# Altium PCB Wireless_Detector.PcbDoc (part 1 of 2) (continued)
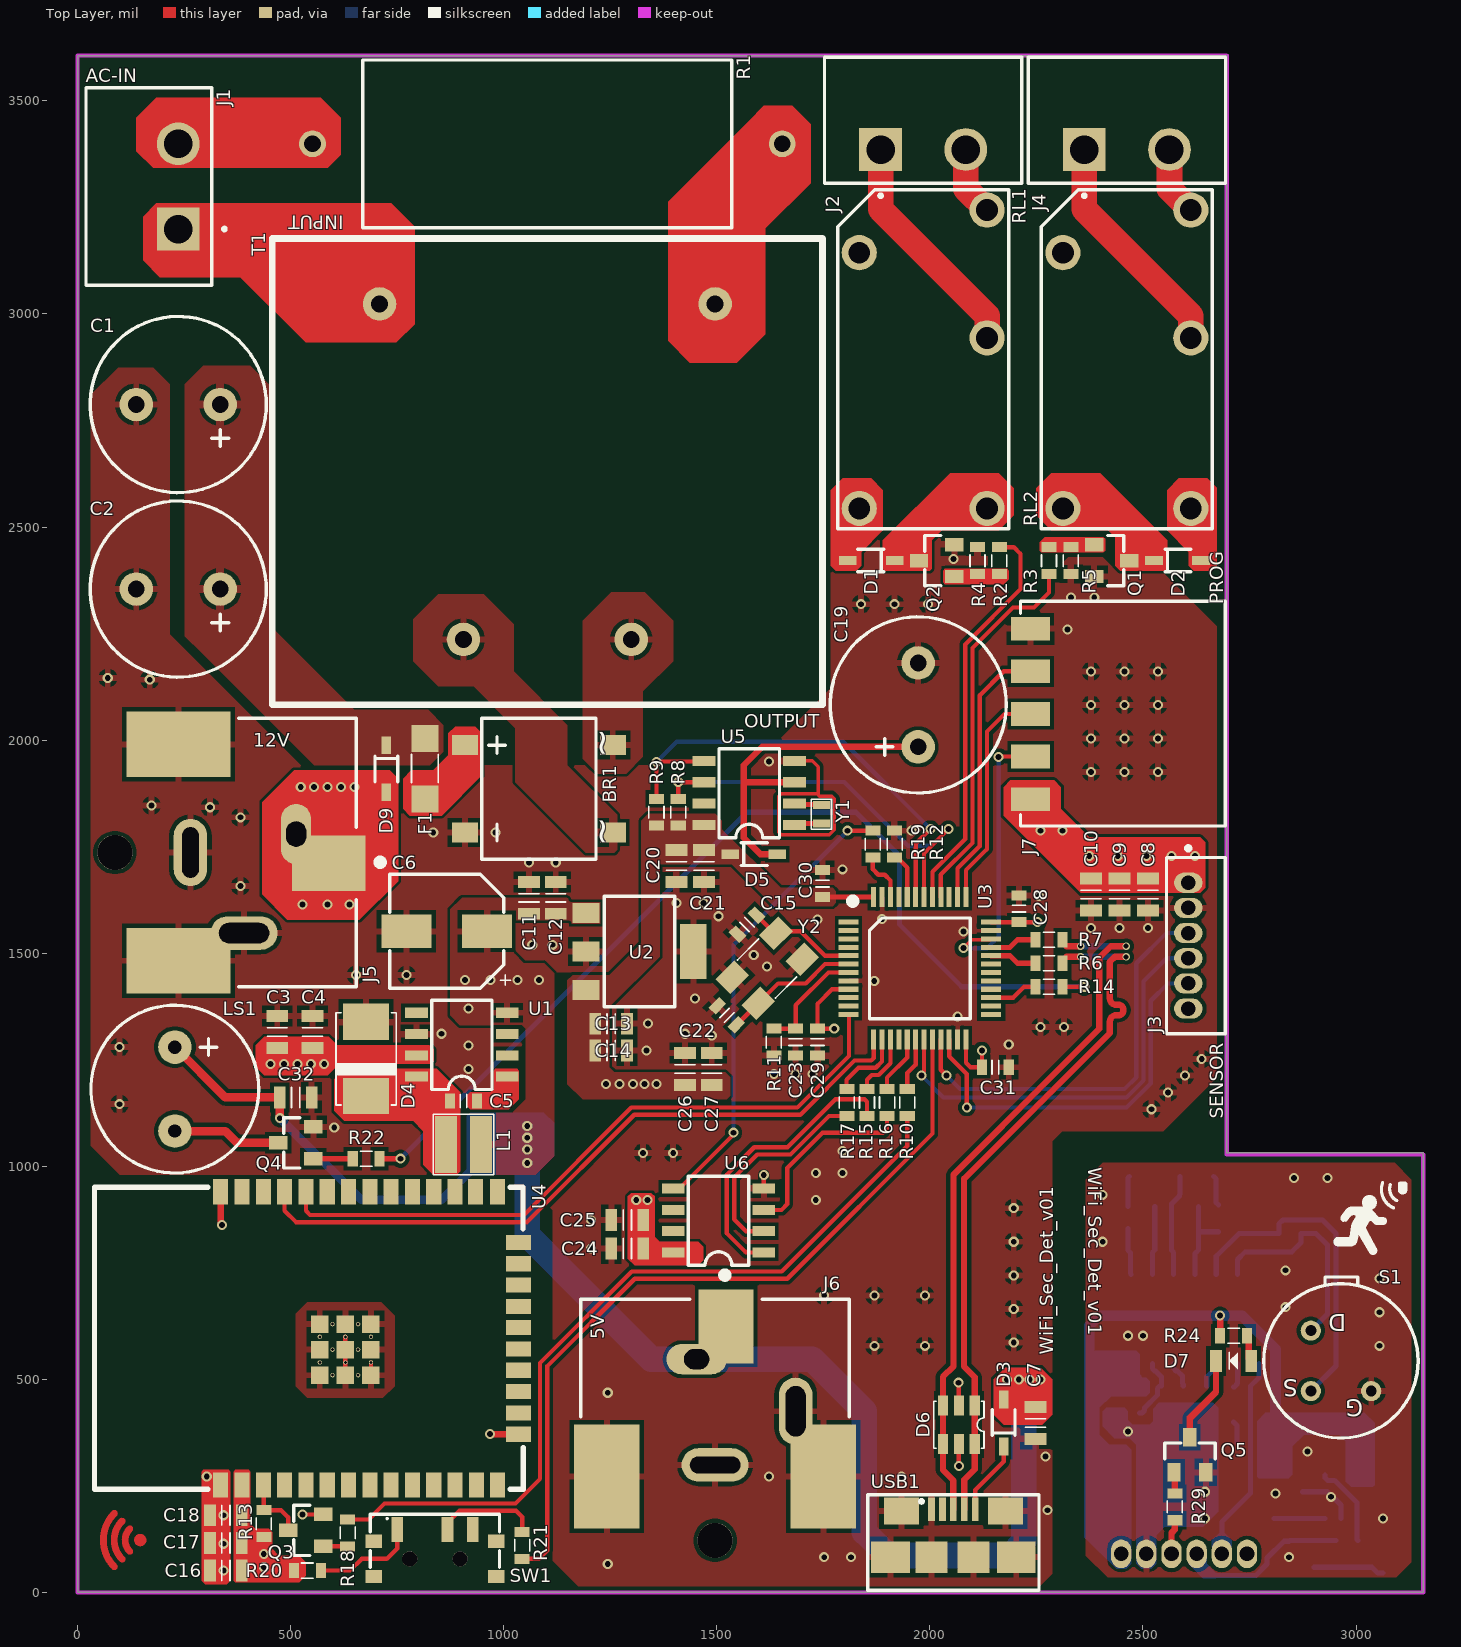
[diagram p0: Top Layer view]
## Part data (continued)
R31 R32: library part "RES 0 OHM 0603", "RES SMD 0 OHM JUMPER %1 1/10W 0603", Case Code (Imperial)=0603, Case Code (Metric)=1608, Manufacturer=Yageo, Max Operating Temperature=155°C, Max Power Dissipation=100mW, Min Operating Temperature=-55°C, Package Quantity=5000, Resistance=0R, Resistance Tolerance=5%, Resistor Type="Thick Film", Supplier Part Number 1=311-0.0GRCT-ND, Temperature Coefficient=200ppm/°C, Tolerance=1%, Voltage Rating=50V, Case/Package=0603, Category="Chip SMD Resistors", Construction=Rectangular, Contact Plating=Tin,Matte, Depth=0.8mm, Designed By="Süleyman ARIKAYA", Features="Moisture Resistant", Height=0.45mm, Lead Free="Lead Free", Length=1.6mm, Manufacturer Part Number=RC0603JR-070RL, Military Standard=Not, Number of Pins=2, Number of Terminations=2, Packaging="Tape and Reel", Power Rating=100mW, Pricing 1="1=0.10000, 10=0.01700, 25=0.01240, 50=0.00940, 100=0.00700, 250=0.00532, 500=0.00424, 1000=0.00313 (USD)", Radiation Hardening=No, REACH SVHC="No SVHC", RoHS=Yes, RoHS Compliant=Yes, Series=RC, Size Code=0603, Stock 1=11872919, Supplier 1=Digi-Key, Technology="THICK FILM", Termination=SMD/SMT, Voltage Rating (DC)=50V, Width=0.8mm
R33: library part "RES 43K OHM 0603", "RES 43K OHM 5% 1/10W 0603", Case Code (Imperial)=0603, Case Code (Metric)=1608, Manufacturer=Yageo, Max Operating Temperature=155°C, Max Power Dissipation=100mW, Min Operating Temperature=-55°C, Package Quantity=1, Resistance=43kR, Resistor Type="Thick Film", Supplier Part Number 1=311-43KGRCT-ND, Temperature Coefficient=100ppm/°C, Tolerance=5%, Voltage Rating=75V, Voltage Rating (DC)=50V, Case/Package=0603, Category="Chip SMD Resistors", ComponentLink1Description=https://datasheet.ciiva.com/2453/pyu-r-int-thick-7-2453053.pdf?src-supplier=Digi-Key, ComponentLink1URL=https://datasheet.ciiva.com/2453/pyu-r-int-thick-7-2453053.pdf?src-supplier=Digi-Key, ComponentLink2Description=https://datasheet.ciiva.com/2453/pyu-r-int-thick-7-2453054.pdf?src-supplier=Digi-Key, ComponentLink2URL=https://datasheet.ciiva.com/2453/pyu-r-int-thick-7-2453054.pdf?src-supplier=Digi-Key, ComponentLink3Description=https://datasheet.ciiva.com/2453/pyu-r-int-thick-7-2453052.pdf?src-supplier=Digi-Key, ComponentLink3URL=https://datasheet.ciiva.com/2453/pyu-r-int-thick-7-2453052.pdf?src-supplier=Digi-Key, Construction=Rectangular, Depth=0.8mm, Designed By="Süleyman ARIKAYA", Features="Moisture Resistant", Height=0.022inch, Lead Free="Lead Free", Length=1.6mm, Manufacturer Part Number=RC0603JR-0743KL, Military Standard=Not, Number of Terminations=2, Packaging="Tape and Reel", Power Rating=100mW, Pricing 1="1=0.10000, 10=0.02000, 100=0.00800, 1000=0.00360, 2500=0.00312 (USD)", RoHS=Yes, RoHS Compliant=Yes, Series=RC, Stock 1=72250, Supplier 1=Digi-Key, Technology="THICK FILM", Termination=SMD/SMT, Weight=7.1E-05oz, Width=0.8mm, Working Voltage=75V
RL1 RL2: "RELAY GEN PURPOSE SPDT 10A 12V", Coil Current=33.3mA, Coil Power=400mW, Coil Resistance=360R, Coil Voltage (DC)=12V, Contact Current Rating=10A, Manufacturer=Panasonic, Max Operating Temperature=85°C, Max Voltage Rating (AC)=250V, Min Operating Temperature=-40°C, Package Quantity=100, Supplier Part Number 1=255-3562-ND, Case/Package=ALQ112, Category="Power Relays", Coil Type=Non-Latching, ComponentLink1Description=https://datasheet.ciiva.com/24388/307ds-61b20-en-lq-24388909.pdf?src-supplier=Onlinecomponents.com, ComponentLink1URL=https://datasheet.ciiva.com/24388/307ds-61b20-en-lq-24388909.pdf?src-supplier=Onlinecomponents.com, Contact Material=Silver, Depth=10mm, Designed By="Süleyman ARIKAYA", Height=16mm, Lead Free="Lead Free", Length=20mm, Manufacturer Part Number=ALQ112, Number of Pins=5, Operate Time=20ms, Packaging=Carton, Power Consumption=400mW, Power Rating=400mW, Pricing 1="1=1.42000, 10=1.33600, 25=1.18720, 50=1.12780, 100=1.06850, 250=0.94976, 500=0.89040, 1000=0.83104, 5000=0.80136 (USD)", REACH SVHC=Unknown, Relay Type="General Purpose", Release Time=20ms, RoHS=Yes, RoHS Compliant=Yes, Series=ALQ, Supplier 1=Digi-Key, Termination="PC Pin", Throw Configuration=SPDT, Voltage Rating (AC)=250V, Weight=7g, Width=10mm
RT1: "Thermistor PTC 10K Ohm 1% 1206", Case/Package=RES1206, Manufacturer="Vishay Dale", Max Operating Temperature=125°C, Max Power Dissipation=125mW, Min Operating Temperature=-55°C, Package Quantity=5000, Resistance=10kR, Resistance Tolerance=1%, Supplier Part Number 1=541-3533-1-ND, Voltage=40V, Category=Thermistors, ComponentLink1Description=https://datasheet.ciiva.com/2852/tfpt-2852076.pdf?src-supplier=Digi-Key, ComponentLink1URL=https://datasheet.ciiva.com/2852/tfpt-2852076.pdf?src-supplier=Digi-Key, Depth=1.6mm, Designed By="Süleyman ARIKAYA", Height=0.55mm, Lead Free="Lead Free", Length=3.2mm, Manufacturer Part Number=TFPT1206L1002FM, Mount="Surface Mount", Number of Pins=2, Packaging="Tape and Reel", Power Rating=125mW, Pricing 1="1=1.41000, 5=1.35600, 10=1.10100, 25=0.94880, 50=0.82160, 100=0.74540, 500=0.62678, 1000=0.55902 (USD)", RoHS=Yes, RoHS Compliant=Yes, Series=TFPT, Stock 1=20194, Supplier 1=Digi-Key, Termination=SMD/SMT, Tolerance=1%, Width=1.6mm
S1: "SENSOR PYRO DETECTOR DUAL MOTION - Sensor PIR (Passive Infrared) TO-205AA, TO-5-3 Metal Can", Manufacturer=Excelitas, Manufacturer Part Number=LHI878/3902, Max Supply Voltage=12V, Min Supply Voltage=2V, Supplier Part Number 1=1601-LHI878/3902-ND, Case/Package="LHI 878/3902", Designed By="Süleyman ARIKAYA", RoHS=No, Supplier 1=Digi-Key
SW1: "Slide Switch, SPDT, 0.025A, 24V, SMD", Case/Package="Axial - EG1215AA", Current Rating=25mA, Manufacturer=E-Switch, Max Operating Temperature=175°C, Max Power Dissipation=5W, Min Operating Temperature=-20°C, Operating Force=150gf, Supplier Part Number 1=EG5720CT-ND, Tolerance=4.95%, Voltage Rating (DC)=24V, Zener Voltage=9.1V, Actuator Length=1.4mm, Actuator Type=Standard, ComponentLink1Description=https://media.digikey.com/pdf/Data%20Sheets/E-Switch%20PDFs/EG1215_Series_Ds.pdf?src-supplier=Digi-Key, ComponentLink1URL=https://media.digikey.com/pdf/Data%20Sheets/E-Switch%20PDFs/EG1215_Series_Ds.pdf?src-supplier=Digi-Key, ComponentLink2Description=http://www.farnell.com/datasheets/2645007.pdf?src-supplier=Farnell, ComponentLink2URL=http://www.farnell.com/datasheets/2645007.pdf?src-supplier=Farnell, Designed By="Süleyman ARIKAYA", Electrical Life=10000Cycles, Impedance=2R, Manufacturer Part Number=EG1215AA, Mechanical Life=10000Cycles, Mount="Surface Mount,Through Hole", Packaging="Cut Tape", Pricing 1="1=0.99000, 10=0.95100, 25=0.88840, 100=0.77150, 250=0.70200, 500=0.65080, 1000=0.60327 (USD)", RoHS=Yes, Stock 1=16131, Supplier 1=Digi-Key, Switch Function=On-On, Switch Travel=1.5mm, Termination="Gull Wing", Throw Configuration=SPDT
T1: "230VAC to12VAC Transformer  / Pwr Xfmr Laminated 1VA Th", Manufacturer="Zettler Magnetics", Operating Frequency=50-60Hz, Primary Voltage=230V, Rated Power=1VA, Secondary Voltage=12V, Supplier Part Number 1=2469-BV302S12010-ZU-ND, Designed By="Süleyman ARIKAYA", Manufacturer Part Number=BV302S12010-ZU, RoHS=No, Supplier 1=Digi-Key
U1: "12VDC/5VDC Converter / SIMPLE SWITCHER® 6.5V to 40V, 1A Low Component Count Step-Down Regulator 8-SOIC -40 to 125", Case/Package="SOIC N", Manufacturer="TI National Semiconductor", Max Input Voltage=40V, Max Operating Temperature=125°C, Max Output Current=1A, Min Input Voltage=8V, Min Operating Temperature=-40°C, Output Voltage=12V, Package Quantity=2500, Quiescent Current=2.5mA, Supplier Part Number 1=296-35410-1-ND, Switching Frequency=260kHz, Category="Voltage Regulators - Switching", ComponentLink1Description=https://datasheet.ciiva.com/41457/001013881-da-01-en-ic-reg-buck-lm2675mx-12-nopb-soic-8-tid-41457896.pdf?src-supplier=Conrad, ComponentLink1URL=https://datasheet.ciiva.com/41457/001013881-da-01-en-ic-reg-buck-lm2675mx-12-nopb-soic-8-tid-41457896.pdf?src-supplier=Conrad, ComponentLink2Description=https://datasheet.ciiva.com/3220/lm2675-3220840.pdf?src-supplier=Avnet, ComponentLink2URL=https://datasheet.ciiva.com/3220/lm2675-3220840.pdf?src-supplier=Avnet, Contact Plating=Tin, Designed By="Süleyman ARIKAYA", Efficiency=94%, Lead Free="Lead Free", Manufacturer Part Number=LM2675MX-12/NOPB, Mount="Surface Mount", Number of Outputs=1, Number of Pins=8, Operating Supply Voltage=40V, Output Current=1A, Output Type=Fixed, Packaging="Tape and Reel", Pricing 1="1=4.94000, 10=4.44000, 25=4.19760, 100=3.63790, 250=3.45136, 500=3.09690, 1000=3.08000 (USD)", Radiation Hardening=No, RoHS=Yes, RoHS Compliant=Yes, Series=LM2675, Supplier 1=Digi-Key, Synchronous Rectifier=No
U2: "5VDC/3V3DC Converter / AP7361 Series 3.3 V 1 A Low SMT Dropout Fixed-Mode Regulator - SOT-223", Case/Package=SOT-223, Dropout Voltage=500mV, Manufacturer=Diodes, Max Input Voltage=6V, Max Operating Temperature=85°C, Max Output Current=1A, Max Power Dissipation=1.1W, Min Current Limit=1.1A, Min Input Voltage=2.2V, Min Operating Temperature=-40°C, Output Voltage=3.3V, Package Quantity=1, Power Dissipation=1.1kW, Power Supply Rejection Ratio (PSRR)=65dB, Quiescent Current=70uA, Reference Voltage=800mV, Supplier Part Number 1=AP7361-33E-13DICT-ND, Accuracy=1%, Category="Voltage Regulators - Linear", ComponentLink1Description=https://datasheet.ciiva.com/26926/getdatasheetpartid-670786-26926141.pdf?src-supplier=Verical, ComponentLink1URL=https://datasheet.ciiva.com/26926/getdatasheetpartid-670786-26926141.pdf?src-supplier=Verical, ComponentLink2Description=https://datasheet.ciiva.com/25651/ap7361-25651049.pdf?src-supplier=Digi-Key, ComponentLink2URL=https://datasheet.ciiva.com/25651/ap7361-25651049.pdf?src-supplier=Digi-Key, ComponentLink3Description=https://datasheet.ciiva.com/29568/ap7361-29568378.pdf?src-supplier=Digi-Key, ComponentLink3URL=https://datasheet.ciiva.com/29568/ap7361-29568378.pdf?src-supplier=Digi-Key, ComponentLink4Description=https://datasheet.ciiva.com/29568/ap7361-29568379.pdf?src-supplier=Digi-Key, ComponentLink4URL=https://datasheet.ciiva.com/29568/ap7361-29568379.pdf?src-supplier=Digi-Key, Contact Plating=Tin,Matte, Designed By="Süleyman ARIKAYA", Lead Free="Lead Free", Manufacturer Part Number=AP7361-33E-13, Mount="Surface Mount", Number of Outputs=1, Number of Pins=4, Number of Regulators=1, Output Current=1A, Output Type=Fixed, Packaging="Tape and Reel", Polarity=Positive, Pricing 1="1=0.54000, 10=0.43400, 25=0.39760, 100=0.29580, 250=0.26804, 500=0.22184, 1000=0.16638 (USD)", Radiation Hardening=No, REACH SVHC="No SVHC", RoHS=Yes, RoHS Compliant=Yes, Series=-, Stock 1=81324, Supplier 1=Digi-Key, Weight=0.000282oz
U3: "MCU 32-bit STM32F ARM Cortex M3 RISC 32KB Flash 2.5V/3.3V 48-Pin LQFP Tray", Case/Package=LQFP, Frequency=72MHz, Manufacturer=STMicroelectronics, Max Operating Temperature=85°C, Max Power Dissipation=363mW, Max Supply Voltage=3.6V, Min Operating Temperature=-40°C, Min Supply Voltage=2V, Package Quantity=1500, Supplier Part Number 1=497-11515-ND, Address Bus Width=32b, Category=Microcontrollers, ComponentLink1Description=https://datasheet.ciiva.com/15122/getdatasheetpartid-69879-15122075.pdf?src-supplier=Verical, ComponentLink1URL=https://datasheet.ciiva.com/15122/getdatasheetpartid-69879-15122075.pdf?src-supplier=Verical, ComponentLink2Description=https://datasheet.ciiva.com/14100/pustm-arm-microcont-stm32f103-en-14100507.pdf?src-supplier=Distrelec, ComponentLink2URL=https://datasheet.ciiva.com/14100/pustm-arm-microcont-stm32f103-en-14100507.pdf?src-supplier=Distrelec, Core Architecture=ARM, Data Bus Width=32b, Designed By="Süleyman ARIKAYA", Height=1.4mm, Interface=I2C,SPI,USART, Lead Free="Lead Free", Length=7mm, Manufacturer Part Number=STM32F103C6T6A, Max Frequency=72MHz, Memory Size=32KB, Memory Type=FLASH, Number of ADC Channels=10, Number of I2C Channels=1, Number of I/Os=37, Number of Pins=48, Number of Programmable I/O=37, Number of SPI Channels=1, Number of Timers/Counters=3, Oscillator Type=Internal, Packaging=Tray, Peripherals="POR,PWM,WDT,DMA,Temp Sensor,I2C", Pricing 1="1=7.21000, 10=6.47900, 25=6.12520, 80=5.30850, 250=5.03628, 500=4.53720 (USD)", Pricing 2="1500=3.36917, 3000=3.30110, 6000=3.23304, 9000=3.16498, 12000=3.09691, 15000=3.02885, 150000=2.96078 (USD)", Radiation Hardening=No, RAM Size=10KB, REACH SVHC="No SVHC", RoHS=Yes, RoHS Compliant=Yes, Series=STM32F103C6, Supplier 1=Digi-Key, Supplier 2=Avnet, Supplier Part Number 2=STM32F103C6T6A, Watchdog Timer=Yes, Weight=0.006409oz, Width=7mm
U4: "Bluetooth, WiFi 802.11b/g/n, Bluetooth v4.2 +EDR, Class 1, 2 and 3 Transceiver Module 2.4GHz ~ 2.5GHz Surface Mount", Case/Package="ESP32-WROOM-32 - SMD/SMT", Frequency=2.5GHz, Manufacturer="Espressif Systems", Manufacturer Part Number=ESP32-WROOM-32E(M113EH3200PH3Q0), Max Operating Temperature=+85, Min Operating Temperature=-40, Operating Supply Voltage=3.6V, Package Quantity=550, Supplier Part Number 1=1904-1010-1-ND, Supply Voltage-Nom=3.3V, Category="RF Receivers, Transceivers", ComponentLink1Description=Datasheet, ComponentLink1URL=https://espressif.com/sites/default/files/documentation/esp32_datasheet_en.pdf, ComponentLink2Description=https://datasheet.ciiva.com/70828/esp32-wroom-32-datasheet-en-70828769.pdf?src-supplier=Digi-Key, ComponentLink2URL=https://datasheet.ciiva.com/70828/esp32-wroom-32-datasheet-en-70828769.pdf?src-supplier=Digi-Key, ComponentLink3Description=https://datasheet.ciiva.com/69725/esp32-datasheet-en-69725253.pdf?src-supplier=Digi-Key, ComponentLink3URL=https://datasheet.ciiva.com/69725/esp32-datasheet-en-69725253.pdf?src-supplier=Digi-Key, Data Rate=150Mbps, Designed By="Süleyman ARIKAYA", Mount="Surface Mount", Packaging="Cut Tape", Pricing 1="1=4.20000 (USD)", RoHS=No, Sensitivity=-98dBm, Stock 1=47, Supplier 1=Digi-Key, Weight=0.088185oz
U5: "Real-time Clocks Clock/Calendar I2C, 2-Wire Serial 70uA @ 2V ~ 5.5V SOIC-8_150mil RoHS", Case/Package=SOIC, Manufacturer=STMicroelectronics, Max Operating Temperature=85°C, Max Supply Voltage=5.5V, Min Operating Temperature=-40°C, Min Supply Voltage=2V, Package Quantity=2500, Supplier Part Number 1=497-4697-1-ND, Temperature Grade=INDUSTRIAL, Category=Memory, ComponentLink1Description=https://datasheet.ciiva.com/16213/cd00001542-16213654.pdf?src-supplier=Future+Electronics, ComponentLink1URL=https://datasheet.ciiva.com/16213/cd00001542-16213654.pdf?src-supplier=Future+Electronics, ComponentLink2Description=https://datasheet.ciiva.com/7630/1837112-7630077.pdf?src-supplier=Element14, ComponentLink2URL=https://datasheet.ciiva.com/7630/1837112-7630077.pdf?src-supplier=Element14, ComponentLink3Description=https://datasheet.ciiva.com/41459/001185345-da-01-en-ic-rtc-srl-512kbit-m41t00m6f-soic-8-stm-41459818.pdf?src-supplier=Conrad, ComponentLink3URL=https://datasheet.ciiva.com/41459/001185345-da-01-en-ic-rtc-srl-512kbit-m41t00m6f-soic-8-stm-41459818.pdf?src-supplier=Conrad, Date Format=YY-MM-DD-dd, Designed By="Süleyman ARIKAYA", Height=1.5mm, Interface=I2C,Serial,2-Wire, Lead Free="Lead Free", Length=5mm, Logic Function=Clock, Manufacturer Part Number=M41T00M6F, Memory Size=8B, Mount="Surface Mount", Non-volatile Memory Size=8B, Number of Pins=8, Packaging="Tape and Reel", Pricing 1="1=3.96000, 10=3.55600, 25=3.36160, 100=2.91340, 250=2.76404, 500=2.48016, 1000=2.46662 (USD)", Radiation Hardening=No, RAM Size=8B, REACH SVHC="No SVHC", RoHS=Yes, RoHS Compliant=Yes, Series=M41T00, Supplier 1=Digi-Key, Supply Voltage-Nom=5.5V, Time Format=HH:MM:SS, Weight=0.019048oz, Width=4mm
U6: "Temp Sensor Digital Serial (3-Wire, SPI) 8-Pin SOIC N Tube", Case/Package=SOIC8, Manufacturer=Maxim, Max Operating Temperature=150°C, Max Power Dissipation=471mW, Max Supply Voltage=5.5V, Min Operating Temperature=-55°C, Min Supply Voltage=3V, Operating Supply Current=600uA, Package Quantity=100, Supplier Part Number 1=MAX6662MSA+-ND, Category="Temperature and Humidity Sensors", ComponentLink1Description=https://datasheet.ciiva.com/5299/max6662-89142-5299456.pdf?src-supplier=Mouser, ComponentLink1URL=https://datasheet.ciiva.com/5299/max6662-89142-5299456.pdf?src-supplier=Mouser, ComponentLink2Description=https://datasheet.ciiva.com/3277/max6662-3277979.pdf?src-supplier=Avnet, ComponentLink2URL=https://datasheet.ciiva.com/3277/max6662-3277979.pdf?src-supplier=Avnet, ComponentLink3Description=https://datasheet.ciiva.com/2003/max6662-2003390.pdf?src-supplier=Digi-Key, ComponentLink3URL=https://datasheet.ciiva.com/2003/max6662-2003390.pdf?src-supplier=Digi-Key, Designed By="Süleyman ARIKAYA", Height=1.5mm, Interface=SPI, Lead Free="Lead Free", Length=5mm, Manufacturer Part Number=MAX6662MSA+, Max Supply Voltage (DC)=5.5V, Min Supply Voltage (DC)=3V, Number of Bits=12, Number of Pins=8, Output Type=Digital,SPI, Packaging=Rail/Tube, Radiation Hardening=No, REACH SVHC=Unknown, Resolution=12b, RoHS=Yes, RoHS Compliant=Yes, Series=MAX6662, Supplier 1=Digi-Key, Width=4mm
U7: "PIR Controller - NCS36000 Series Single 5.75V Passive Infrared Detector Controller (PIR) -SOIC-14", Case/Package=SOIC14, Manufacturer="ON Semiconductor", Max Operating Temperature=85°C, Max Supply Voltage=5.75V, Min Operating Temperature=-40°C, Min Supply Voltage=3V, Operating Supply Current=50uA, Package Quantity=1, Quiescent Current=20uA, Supplier Part Number 1=NCS36000DRGOSCT-ND, Category="Amplifiers - Op Amps, Buffer, Instrumentation", ComponentLink1Description=https://datasheet.ciiva.com/1781/ncs36000-d-1781637.pdf?src-supplier=Digi-Key, ComponentLink1URL=https://datasheet.ciiva.com/1781/ncs36000-d-1781637.pdf?src-supplier=Digi-Key, ComponentLink2Description=https://datasheet.ciiva.com/4763/ncs36000-d-89569-4763639.pdf?src-supplier=Mouser, ComponentLink2URL=https://datasheet.ciiva.com/4763/ncs36000-d-89569-4763639.pdf?src-supplier=Mouser, ComponentLink3Description=https://datasheet.ciiva.com/1781/ncs36000-d-1781638.pdf?src-supplier=Digi-Key, ComponentLink3URL=https://datasheet.ciiva.com/1781/ncs36000-d-1781638.pdf?src-supplier=Digi-Key, ComponentLink4Description=https://datasheet.ciiva.com/1781/ncs36000-d-1781639.pdf?src-supplier=Digi-Key, ComponentLink4URL=https://datasheet.ciiva.com/1781/ncs36000-d-1781639.pdf?src-supplier=Digi-Key, ComponentLink5Description=https://datasheet.ciiva.com/2965/ncs36000-d-2965212.pdf?src-supplier=Avnet, ComponentLink5URL=https://datasheet.ciiva.com/2965/ncs36000-d-2965212.pdf?src-supplier=Avnet, ComponentLink6Description=https://datasheet.ciiva.com/2966/ncs36000-d-2966525.pdf?src-supplier=Avnet, ComponentLink6URL=https://datasheet.ciiva.com/2966/ncs36000-d-2966525.pdf?src-supplier=Avnet, Designed By="Süleyman ARIKAYA", Halogen Free="Halogen Free", Height=1.5mm, Input Type=DIGITAL, Lead Free="Lead Free", Length=8.75mm, Manufacturer Part Number=NCS36000DRG, Number of Pins=14, Output Type=Digital, Packaging="Tape and Reel", Pricing 1="1=1.31000, 10=1.16700, 25=1.10760, 100=0.90990, 250=0.85052, 500=0.75162, 1000=0.65310 (USD)", Radiation Hardening=No, REACH SVHC="No SVHC", RoHS=Yes, RoHS Compliant=Yes, Series=-, Supplier 1=Digi-Key, Width=4mm
USB1: library part "Micro B USB Connector SMD", "CONN USB MICRO B RECPT SMT R/A", Manufacturer="Amphenol ICC / FCI", Supplier Part Number 1=609-4613-1-ND, Case/Package="Micro B USB Connector SMD", Category="USB Connectors", ComponentLink1Description=http://uk.rs-online.com/webdocs/1450/0900766b814507ee.pdf?src-supplier=RSComponents, ComponentLink1URL=http://uk.rs-online.com/webdocs/1450/0900766b814507ee.pdf?src-supplier=RSComponents, ComponentLink2Description=http://www.farnell.com/datasheets/2366786.pdf?src-supplier=Farnell, ComponentLink2URL=http://www.farnell.com/datasheets/2366786.pdf?src-supplier=Farnell, ComponentLink3Description=http://www.amphenol-icc.com/media/wysiwyg/files/drawing/10118192.pdf?src-supplier=Digi-Key, ComponentLink3URL=http://www.amphenol-icc.com/media/wysiwyg/files/drawing/10118192.pdf?src-supplier=Digi-Key, ComponentLink4Description=https://cdn.amphenol-icc.com/media/wysiwyg/files/documentation/datasheet/inputoutput/io_usb_micro.pdf?src-supplier=Arrow+Electronics, ComponentLink4URL=https://cdn.amphenol-icc.com/media/wysiwyg/files/documentation/datasheet/inputoutput/io_usb_micro.pdf?src-supplier=Arrow+Electronics, ComponentLink5Description=https://cdn.amphenol-icc.com/media/wysiwyg/files/documentation/datasheet/inputoutput/io_usb_micro.pdf?src-supplier=Avnet, ComponentLink5URL=https://cdn.amphenol-icc.com/media/wysiwyg/files/documentation/datasheet/inputoutput/io_usb_micro.pdf?src-supplier=Avnet, ComponentLink6Description=http://www.farnell.com/cad/1935767.pdf?src-supplier=Element14, ComponentLink6URL=http://www.farnell.com/cad/1935767.pdf?src-supplier=Element14, ComponentLink7Description=https://cdn.amphenol-icc.com/media/wysiwyg/files/documentation/datasheet/inputoutput/io_usb_micro.pdf?src-supplier=Allied+Electronics, ComponentLink7URL=https://cdn.amphenol-icc.com/media/wysiwyg/files/documentation/datasheet/inputoutput/io_usb_micro.pdf?src-supplier=Allied+Electronics, ComponentLink8Description=https://cdn.amphenol-icc.com/media/wysiwyg/files/documentation/datasheet/inputoutput/io_usb_micro.pdf?src-supplier=Mouser, ComponentLink8URL=https://cdn.amphenol-icc.com/media/wysiwyg/files/documentation/datasheet/inputoutput/io_usb_micro.pdf?src-supplier=Mouser, ComponentLink9Description=http://www.farnell.com/datasheets/2366786.pdf?src-supplier=Newark, ComponentLink9URL=http://www.farnell.com/datasheets/2366786.pdf?src-supplier=Newark, ComponentLink10Description=https://cdn.amphenol-icc.com/media/wysiwyg/files/documentation/datasheet/inputoutput/io_usb_micro.pdf?src-supplier=Verical, ComponentLink10URL=https://cdn.amphenol-icc.com/media/wysiwyg/files/documentation/datasheet/inputoutput/io_usb_micro.pdf?src-supplier=Verical, ComponentLink11Description=https://cdn.amphenol-icc.com/media/wysiwyg/files/documentation/datasheet/inputoutput/io_usb_micro.pdf?src-supplier=Freelance+Electronics, ComponentLink11URL=https://cdn.amphenol-icc.com/media/wysiwyg/files/documentation/datasheet/inputoutput/io_usb_micro.pdf?src-supplier=Freelance+Electronics, ComponentLink12Description=https://cdn.amphenol-icc.com/media/wysiwyg/files/documentation/datasheet/inputoutput/io_usb_micro.pdf?src-supplier=Heilind+Electronics, ComponentLink12URL=https://cdn.amphenol-icc.com/media/wysiwyg/files/documentation/datasheet/inputoutput/io_usb_micro.pdf?src-supplier=Heilind+Electronics, ComponentLink13Description=https://cdn.amphenol-icc.com/media/wysiwyg/files/documentation/datasheet/inputoutput/io_usb_micro.pdf?src-supplier=TME, ComponentLink13URL=https://cdn.amphenol-icc.com/media/wysiwyg/files/documentation/datasheet/inputoutput/io_usb_micro.pdf?src-supplier=TME, ComponentLink14Description=https://cdn.amphenol-icc.com/media/wysiwyg/files/documentation/datasheet/inputoutput/io_usb_micro.pdf?src-supplier=TTI, ComponentLink14URL=https://cdn.amphenol-icc.com/media/wysiwyg/files/documentation/datasheet/inputoutput/io_usb_micro.pdf?src-supplier=TTI, ComponentLink15Description=https://cdn.amphenol-icc.com/media/wysiwyg/files/documentation/datasheet/inputoutput/io_usb_micro.pdf?src-supplier=SOS+electronic, ComponentLink15URL=https://cdn.amphenol-icc.com/media/wysiwyg/files/documentation/datasheet/inputoutput/io_usb_micro.pdf?src-supplier=SOS+electronic, ComponentLink16Description=https://cdn.amphenol-icc.com/media/wysiwyg/files/documentation/datasheet/inputoutput/io_usb_micro.pdf?src-supplier=NAC+Semi, ComponentLink16URL=https://cdn.amphenol-icc.com/media/wysiwyg/files/documentation/datasheet/inputoutput/io_usb_micro.pdf?src-supplier=NAC+Semi, Designed By="Süleyman ARIKAYA", Manufacturer Part Number=10118192-0001LF, Pricing 1="1=0.480000, 10=0.420000, 25=0.384400, 50=0.361600, 100=0.346600, 250=0.316400, 500=0.301360 (USD)", RoHS=No, Stock 1=52373, Supplier 1=Digi-Key
Y1: library part "CRYSTAL 32768kHz", "CRYSTAL 32.7680KHZ 12.5PF SMD", ESR (Equivalent Series Resistance)=90kR, Frequency=32.768kHz, Frequency Tolerance=20ppm, Load Capacitance=12.5pF, Manufacturer=Abracon, Max Operating Temperature=85°C, Min Operating Temperature=-40°C, Operating Frequency="32.768 kHz", Package Quantity=3000, Supplier Part Number 1=535-11899-1-ND, Case/Package=ABS05-32.768KHZ-T, Category=Crystals, ComponentLink1Description=https://datasheet.ciiva.com/23810/abs05-23810480.pdf?src-supplier=Newark, ComponentLink1URL=https://datasheet.ciiva.com/23810/abs05-23810480.pdf?src-supplier=Newark, ComponentLink2Description=https://datasheet.ciiva.com/6728/abs05-6728949.pdf?src-supplier=Digi-Key, ComponentLink2URL=https://datasheet.ciiva.com/6728/abs05-6728949.pdf?src-supplier=Digi-Key, ComponentLink3Description=https://datasheet.ciiva.com/6728/abs05-6728950.pdf?src-supplier=Digi-Key, ComponentLink3URL=https://datasheet.ciiva.com/6728/abs05-6728950.pdf?src-supplier=Digi-Key, ComponentLink4Description=https://datasheet.ciiva.com/16411/abs05-16411149.pdf?src-supplier=Future+Electronics, ComponentLink4URL=https://datasheet.ciiva.com/16411/abs05-16411149.pdf?src-supplier=Future+Electronics, Depth=1mm, Designed By="Süleyman ARIKAYA", Height=0.02inch, Lead Free="Lead Free", Length=1.6mm, Manufacturer Part Number=ABS05-32.768KHZ-T, Mount="Surface Mount", Number of Pins=2, Packaging="Tape and Reel", Pricing 1="1=1.47000, 10=1.40400, 50=1.37080, 100=1.17500, 500=1.14240, 1000=0.96288 (USD)", Radiation Hardening=No, REACH SVHC="No SVHC", RoHS=Yes, RoHS Compliant=Yes, Series=ABS05, Series Resistance=90kR, Stock 1=435809, Supplier 1=Digi-Key, Termination=SMD/SMT, Tolerance=20ppm, Width=0.039inch
Y2: library part "CRYSTAL 16MHz 20pF", "CRYSTAL 16.0000MHZ 20PF SMD", Case/Package="ECS CRYSTAL 16MHZ", ESR (Equivalent Series Resistance)=50R, Frequency=16MHz, Frequency Stability=50ppm, Frequency Tolerance=30ppm, Load Capacitance=20pF, Manufacturer="ECS International", Max Operating Temperature=70°C, Min Operating Temperature=-20°C, Package Quantity=1, Supplier Part Number 1=XC1120CT-ND, Category=Crystals, ComponentLink1Description=https://datasheet.ciiva.com/853/ecx-53b-853408.pdf?src-supplier=Digi-Key, ComponentLink1URL=https://datasheet.ciiva.com/853/ecx-53b-853408.pdf?src-supplier=Digi-Key, ComponentLink2Description=https://datasheet.ciiva.com/853/ecx-53b-853407.pdf?src-supplier=Digi-Key, ComponentLink2URL=https://datasheet.ciiva.com/853/ecx-53b-853407.pdf?src-supplier=Digi-Key, ComponentLink3Description=https://datasheet.ciiva.com/853/ecx-53b-853406.pdf?src-supplier=Digi-Key, ComponentLink3URL=https://datasheet.ciiva.com/853/ecx-53b-853406.pdf?src-supplier=Digi-Key, Designed By="Süleyman ARIKAYA", Height=0.033inch, Lead Free="Lead Free", Length=0.197inch, Manufacturer Part Number=ECS-160-20-30B-TR, Mount="Surface Mount", Packaging="Tape and Reel", Pricing 1="1=1.34000, 10=1.28100, 50=1.25140, 100=1.07260, 500=1.04282 (USD)", RoHS=Yes, RoHS Compliant=Yes, Series=ECX-53B, Stock 1=11830, Supplier 1=Digi-Key, Termination=SMD/SMT, Tolerance=50ppm, Width=0.126inch

## Via types
v1: diameter 23.62, hole 13.78, Top Layer to Bottom Layer, tented both sides, 185 vias
v2: diameter 17.72, hole 11.81, Top Layer to Bottom Layer, tented both sides, 4 vias
v3: diameter 23.62, hole 13.78, Top Layer to Bottom Layer, 1 vias

## Nets (pads, with @x,y where several pads share a name; then routed paths per layer and width w, separated by ;. In a path a pad name is that pad's centre, name@x,y a point inside that pad or via, vN(x,y) a via of type N, cw(c..) or ccw(c..) an arc to the next point about the centre after c; other vN are vias at no path point)
3V3DC: C8.2 C9.2 C10.2 C13.2 C14.2 C16.2 C17.2 C18.2 C20.2 C21.2 C24.2 C25.2 C26.2 C27.2 C28.2 C29.2 C30.2 C31.2 D5.A D6.5 J3.1 J7.1 R8.2 R9.1 R13.1 R20.2 U2.3 U3.9 U3.24 U3.36 U3.48 U4.2 U5.8 U6.8 | length 601.1
  Top Layer w10: v1(1775.59,1322.83) C29.2@1736.22,1322.84 1736.22,1381.14 1770.43,1415.35 U3.9@1809.06,1415.35 ; v1(2067.91,296.26) D6.5@2067.91,348.43 ; U3.24@2084.65,1297.24 2084.65,1242.87 2095.23,1232.28 C31.2@2122.04,1232.28 v1(2122.05,1271.65) ; U3.36@2143.7,1572.83 C28.2@2208.66,1572.83 2208.71,1572.88 2252.23,1572.88 v1(2252.28,1572.93)
  Top Layer w12: C30.2@1748.03,1631.89 1780.75,1631.89 U3.48@1868.11,1631.89
  other v1: 437.01,59.06 437.01,90.55 1311.02,920.87 1337.58,920.87 1240.16,1192.91 1271.65,1192.91 1303.15,1192.91 1330.71,1192.91 1358.27,1192.91 2374.02,1728.35 2440.94,1728.35 2507.87,1728.35 2566.93,1728.35 2622.05,1728.35 2259.84,1787.4 2311.02,1787.4
3V3DC_S: C35.2 C36.2 C42.1 C45.2 C46.2 C47.2 J8.1 OP1.5 R24.2 R26.2 R27.2 RT1.2 U7.14 | length 886.6
  Top Layer w15: R24.2@2681.1,602.36 2681.1,630.08 v1(2681.1,649.61)
  Bottom Layer w25: 2374.02,547.24 2374.02,625.98 2397.64,649.61 v1(2681.1,649.61) 2732.28,649.61 2811.02,570.87 2811.02,295.28 RT1.2@2807.09,291.34
5VDC: C6.1 C7.2 C11.2 C12.2 C32.2 D3.C J6.1A J6.1B L1.2 LS1.1 U1.4 U2.1 | length 3328.9
  Top Layer w20: LS1.1@228.35,1279.53 346.46,1161.42 C32.2@474.41,1161.42 474.41,1112.87 v1(474.51,1112.78)
  Bottom Layer w20: v1(474.51,1112.78) 666.02,921.26 854.33,921.26 940.94,1007.87 v1(1055.12,1007.87)
  Bottom Layer w60: v1(1055.12,1094.49) v1(1055.12,1066.93) v1(1055.12,1039.37) v1(1055.12,1007.87) 1055.12,838.58 1346.46,547.24 J6.1B@1452.76,547.24 1724.41,547.24 1846.46,425.2 1846.46,141.73 1901.57,86.61 2188.98,86.61 2220.47,118.11 2220.47,485.35 v1@2227.8,492.68
  other v1: 2181.1,500 2208.66,500 2234.09,499.96 2259.84,500 917.32,1370.08 909.45,1437.01 968.88,1437.01 1031.87,1437.01 1082.68,1437.01
12VDC: C3.2 C4.2 D1.C D2.C D9.C J5.1A J5.1B RL1.4 RL2.5 U1.7
  other v1: 452.76,1240.16 484.25,1240.16 515.75,1240.16 547.24,1240.16 578.74,1240.16 527.56,1614.17 586.61,1614.17 637.8,1614.17 523.62,1889.76 555.12,1889.76 586.61,1889.76 618.11,1889.76 649.61,1889.76
AC_LINE_1: J1.2 R1.1
AC_LINE_2: J1.1 T1.5
BUZZER: R14.2 R22.1 | length 2305.6
  Top Layer w10: R14.2@2311.03,1421.26 v1(2362.2,1421.26)
  Top Layer w12: R22.1@708.67,1017.72 v1@757.65,1017.73
  Bottom Layer w12: v1(757.66,1017.74) 1570.63,1830.71 1826.77,1830.71 1929.13,1728.35 1929.13,1566.93 2074.8,1421.26 v1(2362.2,1421.26)
GND: BR1.4 C1.2 C2.2 C3.1 C4.1 C6.2 C7.1 C8.1 C9.1 C10.1 C11.1 C12.1 C13.1 C14.1 C15.1 C16.1 C17.1 C18.1 C19.2 C20.1 C21.1 C22.1 C23.1 C24.1 C25.1 C26.1 C27.1 C28.1 C29.1 C30.1 C31.1 C32.1 D4.A D6.2 J3.2 J5.2A J5.2B J5.3A J5.3B J6.2A J6.2B J6.3A J6.3B J7.5 Q1.2 Q2.2 Q3.2 Q4.2 R4.1 R5.1 R11.1 R12.1 U1.6 U2.2 U3.8 U3.23 U3.35 U3.47 U4.1 U4.15 U4.38 U4.39 U5.4 U6.4 USB1.5 USB1.6 Y2.2 Y2.4 | length 961.2
  Top Layer w8: U5.4@1682.39,1951.11 1723.77,1951.11 1737.87,1937.01 1737.87,1871.64 ; 1736.22,1873.28 1737.87,1871.64 ; 1736.22,1873.92 1651.26,1873.92 1644.82,1867.48 1644.82,1784.74 1651.26,1778.3 1764.32,1778.3 1776.07,1790.05 1776.07,1862.15 1769.62,1868.6 1740.91,1868.6 1737.87,1871.64
  Top Layer w10: v1(527.56,183.07) Q3.2@576.77,183.07 ; U4.39@628.35,509.65 U4.39@628.35,539.76 U4.39@628.35,569.69 U4.39@628.35,599.8 ; U4.39@688.39,509.65 U4.39@688.39,539.76 ; U6.4@1610.24,947.64 v1(1610.24,979.13) ; v1(2066.93,492.13) 2067.42,491.63 2067.42,439.47 D6.2@2067.91,438.98 ; U3.35@2142.8,1552.24 U3.35@2143.7,1553.15
  Top Layer w15: U4.38@335.84,940.16 335.84,867.28 338.58,864.54 v3(338.58,862.2) ; v1(967.34,371.6) 967.69,371.26 U4.15@1034.65,371.26
  other v1: 342.52,51.18 1244.09,66.93 1751.97,82.68 1814.96,82.68 342.52,114.17 342.52,181.1 2275.59,192.91 303.15,271.65 1622.05,271.65 1933.07,271.65 2271.65,318.9 1244.09,468.5 1870.08,578.74 1988.19,578.74 2196.85,586.61 2196.85,665.35 1751.97,696.85 1870.08,696.85 1988.19,696.85 2196.85,744.09 1204.72,807.09 2196.85,822.83 1204.72,874.02 2196.85,901.57 1732.28,921.26 1732.28,984.25 1795.28,984.25 1326.77,1031.5 1397.64,1031.5 1795.28,1035.43 602.36,1090.55 2519.68,1133.86 98.43,1145.67 2559.06,1173.23 2598.43,1212.6 1633.86,1216.54 1685.04,1216.54 1724.41,1216.54 917.32,1228.35 2637.8,1251.97 1334.65,1271.65 98.43,1279.53 917.32,1283.46 2185.04,1285.93 1488.19,1307.09 854.33,1311.02 1425.2,1311.02 2259.84,1326.77 2314.96,1326.77 1338.58,1334.65 2065.28,1351.14 1448.82,1393.7 1869.45,1435.05 653.54,1448.82 771.65,1448.82 1618.11,1468.5 1586.61,1496.06 1066.93,1519.68 1114.17,1519.68 2078.74,1551.18 2377.95,1559.06 2444.88,1559.06 2511.81,1559.06 1736.22,1578.74 1888.08,1580.13 1503.94,1586.61 1405.51,1618.11 1468.5,1618.11 2255.91,1633.86 381.89,1657.48 1795.28,1696.85 1059.06,1712.6 1122.05,1712.6 834.65,1783.46 980.32,1783.46 1956.69,1787.4 381.89,1818.9 311.02,1842.52 173.23,1846.46 2377.95,1925.2 2456.69,1925.2 2535.43,1925.2 1622.87,1949.64 2377.95,2003.94 2456.69,2003.94 2535.43,2003.94 2377.95,2082.68 2456.69,2082.68 2535.43,2082.68 169.29,2141.73 70.87,2145.67 2377.95,2161.42 2456.69,2161.42 2535.43,2161.42 2322.83,2259.84 1838.58,2318.9 1917.32,2318.9 1996.06,2318.9 2330.71,2334.65 2385.83,2334.65 2055.12,2425.2